# Altium PCB theremin.PcbDoc
Units mm, origin at the board's own origin, x right, y up, seen from the top; angles counter-clockwise.
Board outline 95 x 95 mm, 2 copper layers (Top Layer, Bottom Layer), stack 1.671 mm thick; 93 components, 59 nets, 292 pads, 472 vias.
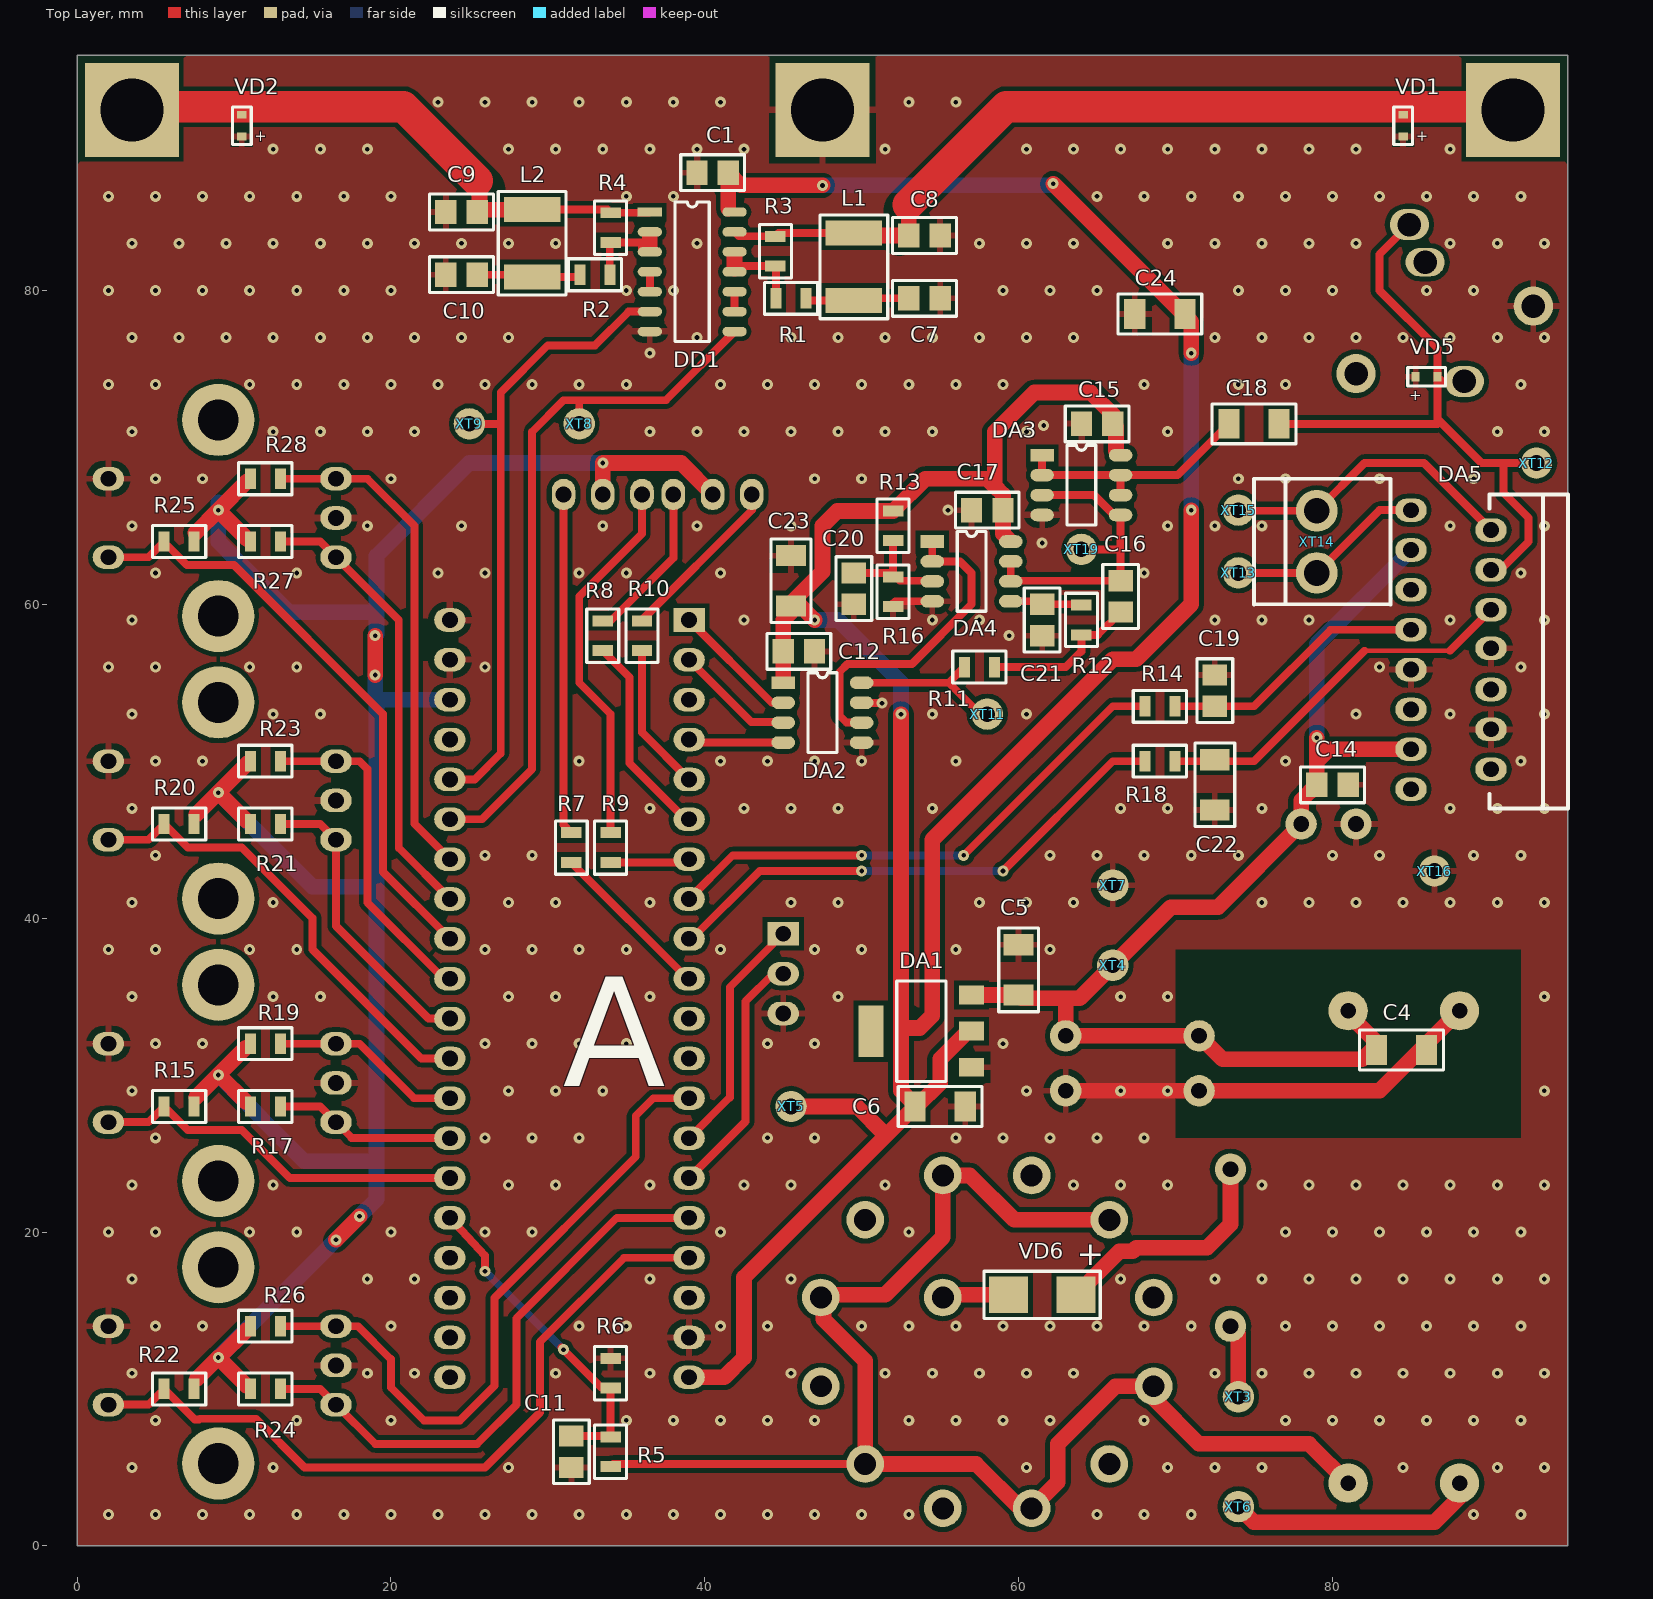
[diagram p0: Top Layer view]
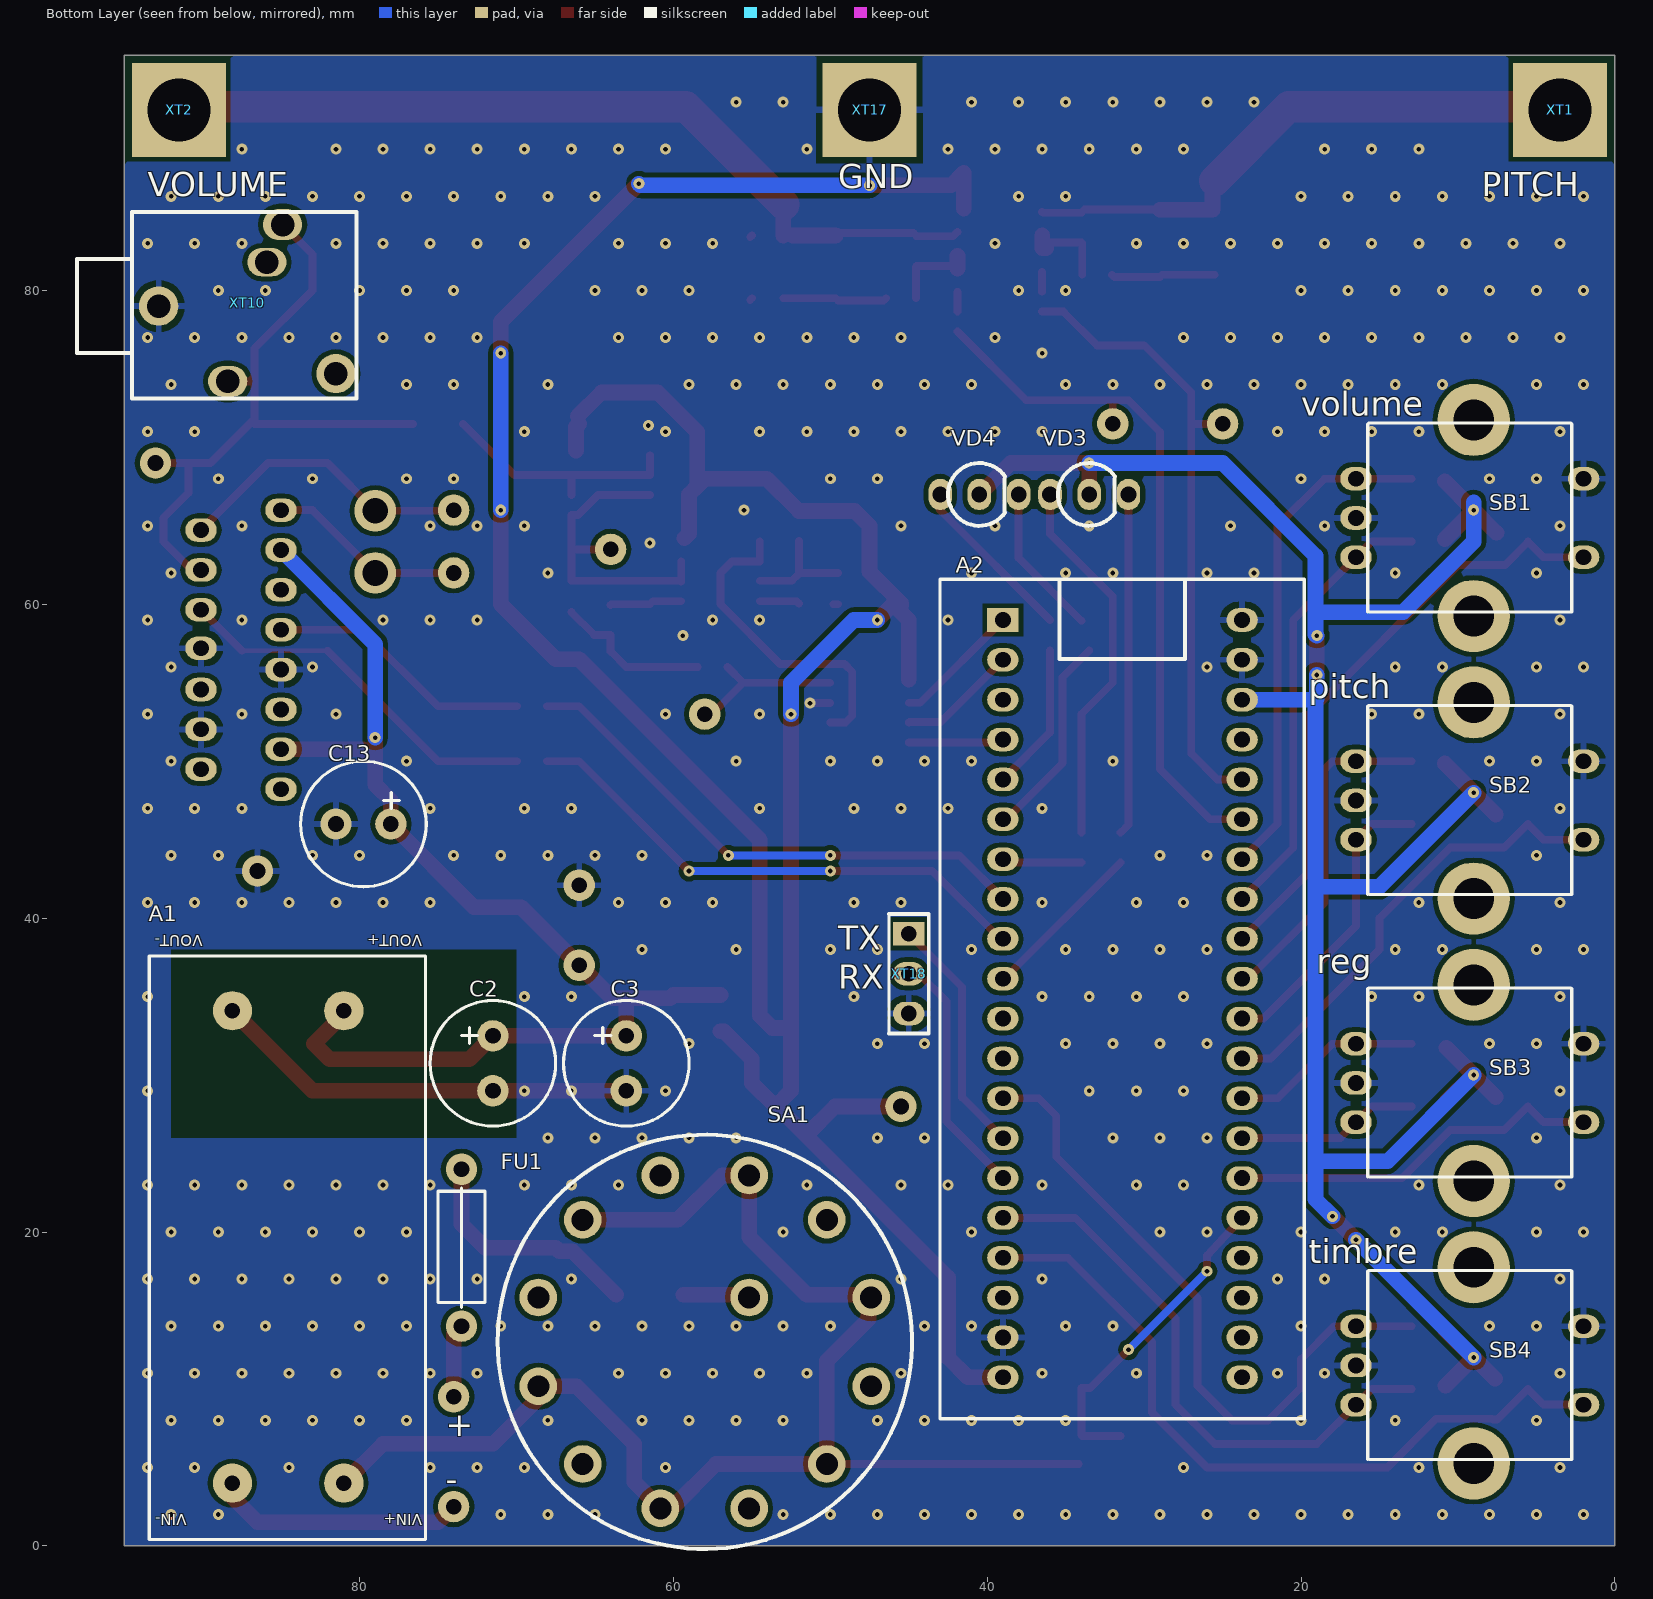
[diagram p1: Bottom Layer view, seen from below]
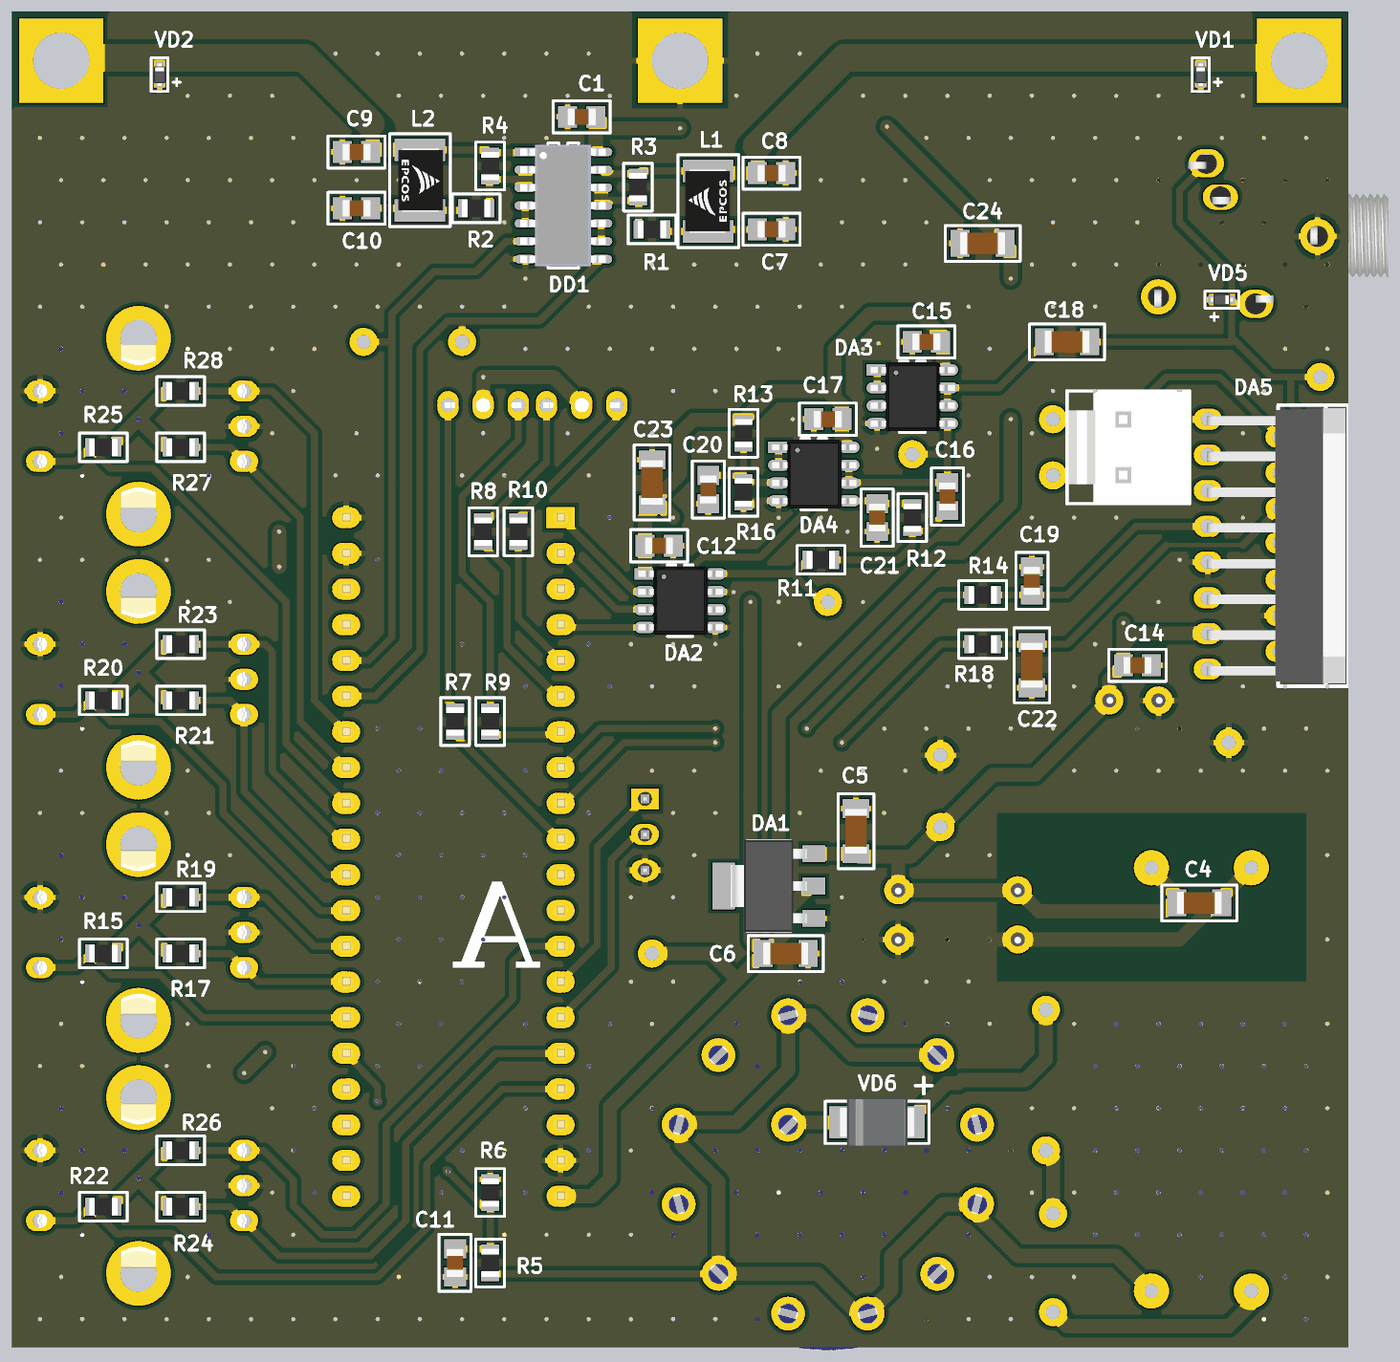
[diagram p2: 3D render of the assembled board from above, using the file's embedded part models]
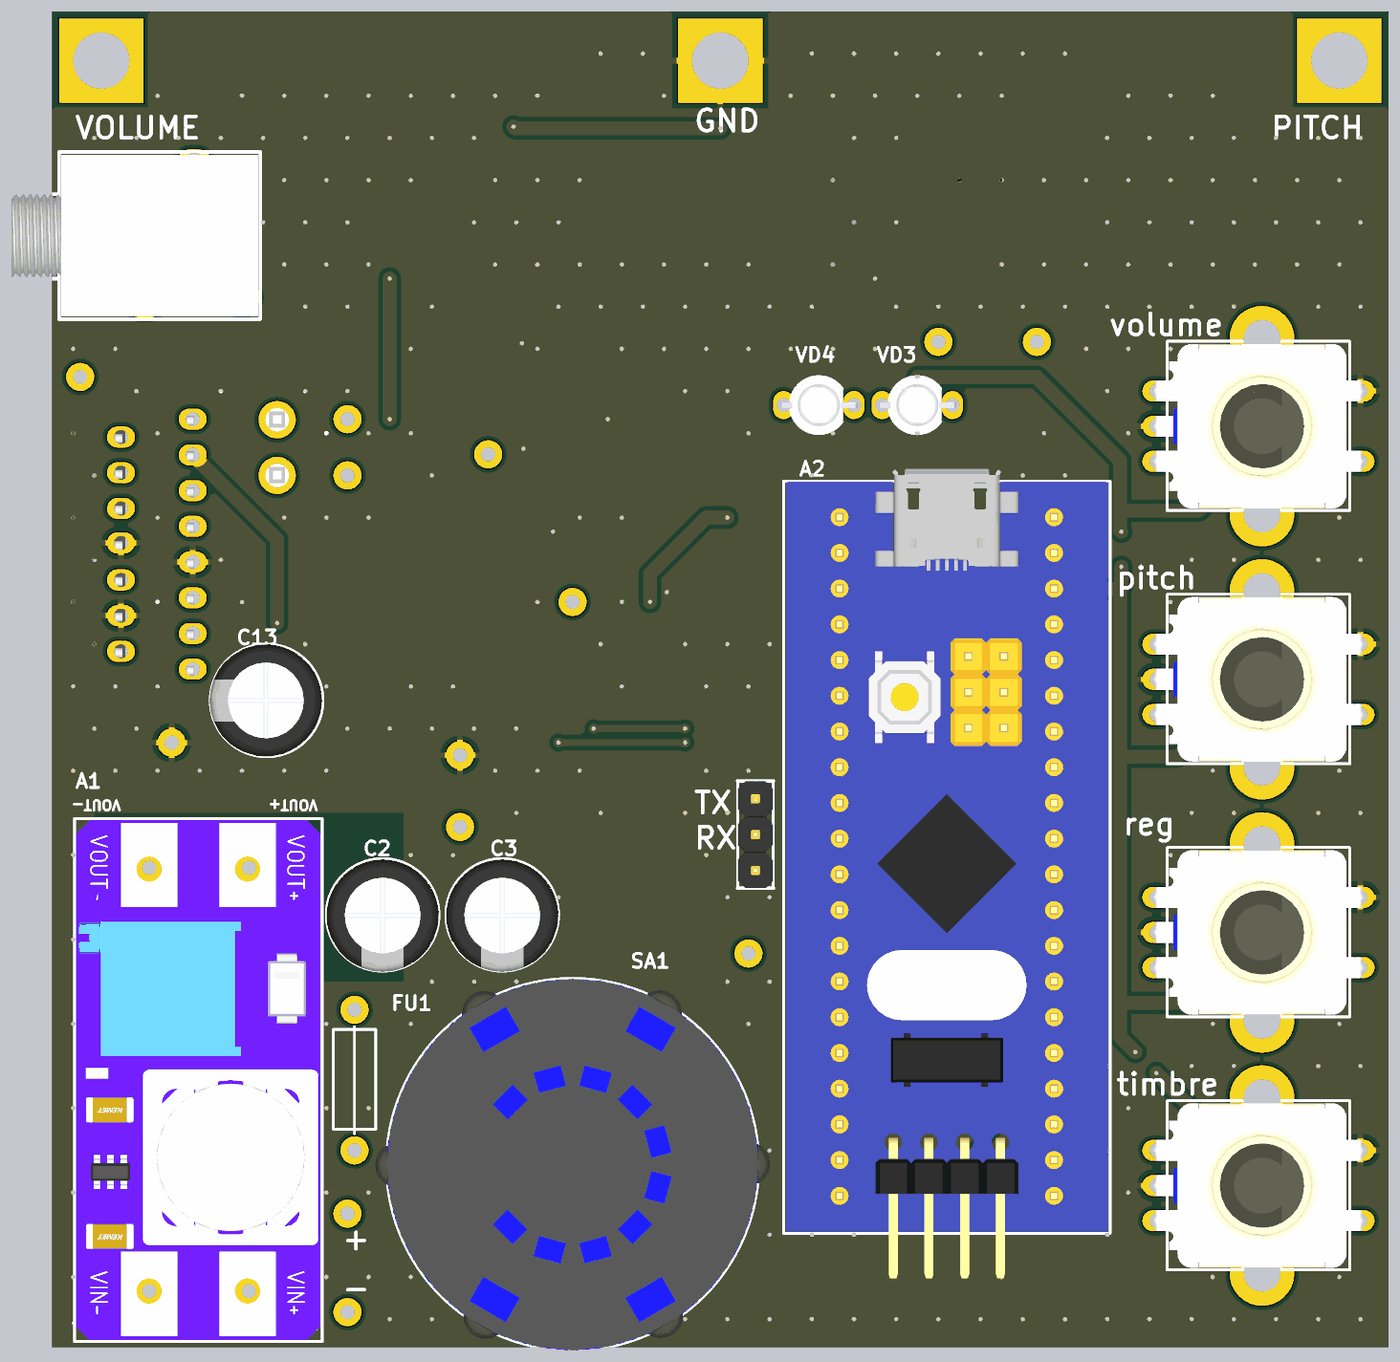
[diagram p3: 3D render of the assembled board from below, using the file's embedded part models]

## Layer stack, top to bottom
Top Solder: solder mask 0.0102, Solder Resist, Dk 3.5
Top Layer: signal copper 0.0356
Dielectric 1: dielectric 1.6, FR-4, Dk 4.8
Bottom Layer: signal copper 0.0356
Bottom Solder: solder mask 0.0102, Solder Resist, Dk 3.5

## Board outline
0,0 95,0 95,95 0,95

## Design rules (kind name [scope] priority, off if disabled: settings)
Clearance [All] p1: gap=0.3 ignorepadtopadclearanceinfootprint=FALSE except(0: Arc-Hole Track-Hole SMDPad-Hole THPad-Hole Via-Hole Fill-Hole Poly-Hole Region-Hole Text-Hole)
Height [All] p1: minheight=0 maxheight=40 prefheight=12.7
PlaneConnect [All] p1: planeconnectstyle=Relief reliefexpansion=0.508 reliefentries=4 reliefconductorwidth=0.4 reliefairgap=0.4
PolygonConnect [All] p1: thpad.connectstyle=Relief thpad.reliefconductorwidth=0.4 thpad.reliefentries=4 thpad.polygonreliefangle="90 Angle" thpad.airgapwidth=0.4 smdpad.connectstyle=Relief smdpad.reliefconductorwidth=0.4 smdpad.reliefentries=4 smdpad.polygonreliefangle="90 Angle" smdpad.airgapwidth=0.4 via.connectstyle=Direct via.reliefconductorwidth=0.4 via.reliefentries=4 via.polygonreliefangle="90 Angle" via.airgapwidth=0.4
RoutingVias [All] p1: holewidth=0.3 width=0.7 viastyle="Through Hole" minholewidth=0.3 minwidth=0.7 maxholewidth=0.711 maxwidth=1.27
SolderMaskExpansion [All] p1: expansion=0.102
Width [All] p1: maxlimit=3 minlimit=0.3 preferedwidth=0.5
28 further rules are at their usual default settings.

## Components (designator, comment, footprint, x,y, rotation, side; value= is the part's Value field where it differs from the comment)
A1 "MT3608 DC-DC" MT3608 81,4 r0 bottom
A2 "blue pill" "BLUE PILL" 39,59 r180 bottom
C1 "0.1" C0805 40.5,87.5 r0 top
C2 "100u" C8X12 71.5,29 r90 bottom
C3 "100u" C8X12 63,29 r90 bottom
C4 "10u" C1206 84.4,31.6 r180 top
C5 "10u" C1206 60,36.7 r270 top
C6 "10u" C1206 55,28 r180 top
C7 "330" C0805 54,79.5 r180 top
C8 "150" C0805 54,83.5 r180 top
C9 "150" C0805 24.5,85 r0 top
C10 "330" C0805 24.5,81 r0 top
C11 "0.1" C0805 31.5,6 r90 top
C12 "0.1" C0805 46,57 r180 top
C13 "100u" C8X12 81.5,46 r180 bottom
C14 "0.1" C0805 80,48.5 r180 top
C15 "0.1" C0805 65,71.5 r0 top
C16 "0.1" C0805 66.5,60.5 r270 top
C17 "0.1" C0805 58,66 r0 top
C18 "10u" C1206 75,71.5 r180 top
C19 "0.1" C0805 72.5,54.5 r270 top
C20 "0.1" C0805 49.5,61 r90 top
C21 "0.1" C0805 61.5,59 r90 top
C22 "10u" C1206 72.5,48.5 r270 top
C23 "10u" C1206 45.5,61.5 r270 top
C24 "10u" C1206 69,78.5 r0 top
DA1 "AMS1117-3.3" SOT223 57,30.5 r180 top
DA2 "MCP4921" SO-8 45,55 r0 top
DA3 "MCP6022" SO-8 61.5,69.5 r0 top
DA4 "MCP6022" SO-8 54.5,64 r0 top
DA5 "TDA7297" TDA7297 85,66 r270 top
DD1 "CD4069UBM" CD4069UBM 36.5,85 r0 top
FU1 "1A" VP4 73.5,14 r90 bottom
L1 "1uH" L1812 49.5,81.5 r90 top
L2 "1uH" L1812 29,83 r270 top
R1 "1" R0805 45.5,79.5 r180 top
R2 "1" R0805 33,81 r180 top
R3 "1" R0805 44.5,82.5 r270 top
R4 "1" R0805 34,84 r90 top
R5 "1" R0805 34,6 r270 top
R6 "1" R0805 34,11 r270 top
R7 "1" R0805 31.5,44.5 r90 top
R8 "1" R0805 33.5,58 r90 top
R9 "1" R0805 34,44.5 r90 top
R10 "1" R0805 36,58 r90 top
R11 "1" R0805 57.5,56 r180 top
R12 "1" R0805 64,59 r270 top
R13 "1" R0805 52,65 r90 top
R14 "1" R0805 69,53.5 r180 top
R15 "1" R0805 6.5,28 r180 top
R16 "1" R0805 52,60.8 r90 top
R17 "1" R0805 12,28 r0 top
R18 "1" R0805 69,50 r180 top
R19 "1" R0805 12,32 r0 top
R20 "1" R0805 6.5,46 r180 top
R21 "1" R0805 12,46 r0 top
R22 "1" R0805 6.5,10 r180 top
R23 "1" R0805 12,50 r0 top
R24 "1" R0805 12,10 r0 top
R25 "1" R0805 6.5,64 r180 top
R26 "1" R0805 12,14 r0 top
R27 "1" R0805 12,64 r0 top
R28 "1" R0805 12,68 r0 top
SA1 "Rotary switch" "ROTARY SWITCH" 58,13 r315 bottom
SB1 "encoder" EC11 2,63 r0 bottom
SB2 "encoder" EC11 2,45 r0 bottom
SB3 "encoder" EC11 2,27 r0 bottom
SB4 "encoder" EC11 2,9 r0 bottom
VD1 "zener" SOD523 84.5,90.5 r90 top
VD2 "zener" SOD523 10.5,90.5 r90 top
VD3 "LED RG 3mm" "LED RG 3MM" 36,67 r180 bottom
VD4 "LED RG 3mm" "LED RG 3mm" 43,67 r180 bottom
VD5 "zener" SOD523 86,74.5 r0 top
VD6 "VD_SMB" SMB 61.5,16 r180 top
XT1 "pitch" SPECIAL_CONTACT 3.5,91.5 r90 bottom
XT2 "volume" SPECIAL_CONTACT 91.5,91.5 r90 bottom
XT3 "contact" CONTACT 74,9.5 r270 top
XT4 "contact" CONTACT 66,37 r0 top
XT5 "contact" CONTACT 45.5,28 r270 top
XT6 "contact" CONTACT 74,2.5 r270 top
XT7 "contact" CONTACT 66,42.1 r270 top
XT8 "contact" CONTACT 32,71.5 r270 top
XT9 "contact" CONTACT 25,71.5 r270 top
XT10 "audio 3.5" ST-214N 94.5,79 r180 bottom
XT11 "contact" contact 58,53 r90 top
XT12 "contact" CONTACT 93,69 r0 top
XT13 "contact" CONTACT 74,62 r0 top
XT14 "connector" B2P 79,62 r180 top
XT15 "contact" CONTACT 74,66 r0 top
XT16 "contact" CONTACT 86.5,43 r270 top
XT17 "gnd_contact" SPECIAL_CONTACT 47.5,91.5 r90 bottom
XT18 "PLS-3" PLS-3 45,39 r180 bottom
XT19 "contact" CONTACT 64,63.5 r0 top

## Footprints (in the part's own frame and the unit in brackets; to place one, negate y for a bottom-side part, rotate by r counter-clockwise, add the part's x,y. Pads: shape width x height; smd on the part's side, far side on the other; paste and mask are expansions set on the pad)
B2P [mm] "connector"
  round 2.65 hole 1.65: 1(0,0) 2(0,-3.96)
  silkscreen extent -4.7,-6 4,2, body extent -4.6,-5.93 3.9,1.93, height 10.9
"BLUE PILL" [mm]
  rect 2x1.5 hole 1: 1(0,0)
  oval 2x1.5 hole 1: 2(0,-2.54) 3(0,-5.08) 4(0,-7.62) 5(0,-10.16) 6(0,-12.7) 7(0,-15.24) 8(0,-17.78) 9(0,-20.32) 10(0,-22.86) 11(0,-25.4) 12(0,-27.94) 13(0,-30.48) 14(0,-33.02) 15(0,-35.56) 16(0,-38.1) 17(0,-40.64) 18(0,-43.18) 19(0,-45.72) 20(0,-48.26) 21(15.24,-48.26) 22(15.24,-45.72) 23(15.24,-43.18) 24(15.24,-40.64) 25(15.24,-38.1) 26(15.24,-35.56) 27(15.24,-33.02) 28(15.24,-30.48) 29(15.24,-27.94) 30(15.24,-25.4) 31(15.24,-22.86) 32(15.24,-20.32) 33(15.24,-17.78) 34(15.24,-15.24) 35(15.24,-12.7) 36(15.24,-10.16) 37(15.24,-7.62) 38(15.24,-5.08) 39(15.24,-2.54) 40(15.24,0)
  silkscreen extent -4,-50.9 19.2,2.6, body extent -3.83,-54.1 19.03,3.46, height 12.27
C8X12 [mm]
  round 2 hole 1: 1(0,0) 2(3.5,0)
  silkscreen extent -2.25,-4 5.75,4, body extent -2.3,-4 5.7,4, height 12.3
C0805 [mm]
  rect 1.35x1.55 smd: 1(-1,0) 2(1,0)
  silkscreen extent -2.03,-1.14 2.03,1.14, body extent -1,-0.6 1,0.6, height 1.2
C1206 [mm]
  rect 1.35x1.9 smd: 1(-1.6,0) 2(1.6,0)
  silkscreen extent -2.67,-1.27 2.67,1.27, body extent -1.6,-0.8 1.6,0.8, height 1.6
CD4069UBM [mm]
  rect 1.55x0.6 smd: 1(0,0)
  oval 1.55x0.6 smd: 2(0,-1.27) 3(0,-2.54) 4(0,-3.81) 5(0,-5.08) 6(0,-6.35) 7(0,-7.62) 8(5.4,-7.62) 9(5.4,-6.35) 10(5.4,-5.08) 11(5.4,-3.81) 12(5.4,-2.54) 13(5.4,-1.27) 14(5.4,0)
  silkscreen extent 1.61,-8.25 3.79,0.64, body extent -0.38,-8.13 5.72,0.51, height 1.75
CONTACT [mm]
  round 2 hole 1: 1(0,0)
contact [mm]
  round 2 hole 1: 1(0,0)
EC11 [mm]
  oval 2x1.5 hole 1: A(14.5,-5) B(14.5,0) C(14.5,-2.5) D(0,-5) E(0,0)
  round 4.6 hole 2.6: ""(7,-8.75) ""(7,3.75)
  silkscreen extent 0.75,-8.55 13.75,3.5, body extent -0.22,-8.36 14.73,3.36, height 24.5
L1812 [mm]
  rect 1.6x3.6 smd: 1(-2.15,0) 2(2.15,0)
  silkscreen extent -3.3,-2.16 3.3,2.16, body extent -2.25,-1.55 2.25,1.65, height 3.24
"LED RG 3MM" [mm]
  oval 1.5x2 hole 1: 1(0,0) 2(2.5,0) 3(5,0)
  silkscreen extent 0.5,-2 4.14,2, body extent -0.24,-1.9 5.24,1.9, height 8.67
"LED RG 3mm" [mm]
  oval 1.5x2 hole 1: 1(0,0) 2(2.5,0) 3(5,0)
  silkscreen extent 0.5,-2 4.14,2, body extent -0.24,-1.9 5.24,1.9, height 8.67
MT3608 [mm]
  round 2.5 hole 1: 1(0,0) 2(7.1,0) 3(0,-30.1) 4(7.1,-30.1)
  silkscreen extent -5.2,-33.6 12.4,3.6, body extent -5.1,-33.5 12.3,3.5, height 7.5
PLS-3 [mm]
  rect 2x1.5 hole 1: 1(0,0)
  oval 2x1.5 hole 1: 2(0,-2.54) 3(0,-5.08)
  silkscreen extent -1.27,-6.35 1.27,1.27, body extent -1.25,-6.35 1.25,1.27, height 8
R0805 [mm]
  rect 0.7x1.3 smd: 1(-0.95,0) 2(0.95,0)
  silkscreen extent -1.7,-1.02 1.7,1.02, body extent -1,-0.62 1,0.63, height 0.6
"ROTARY SWITCH" [mm]
  round 2.4 hole 1.4: 0(-4,0) 1(-9.5,-5.5) 2(-11,0) 3(-9.5,5.5) 4(-5.5,9.5) 5(0,11) 6(5.5,9.5) 7(9.5,5.5) 8(11,0) 9(9.5,-5.5) 10(5.5,-9.5) 11(0,-11) 12(-5.5,-9.5)
  silkscreen extent -13.2,-13.2 13.2,13.2, body extent -19.26,-19.26 19.26,19.26, height 31.9
SMB [mm]
  rect 2.5x2.3 smd: 1(-2.15,0) 2(2.15,0)
  silkscreen extent -3.7,-1.5 3.7,1.5, body extent -2.7,-1.8 2.7,1.8, height 2.3
SO-8 [mm]
  rect 1.5x0.8 smd: 1(0,0)
  oval 1.5x0.8 smd: 2(0,-1.27) 3(0,-2.54) 4(0,-3.81) 5(5,-3.81) 6(5,-2.54) 7(5,-1.27) 8(5,0)
  silkscreen extent 1.58,-4.44 3.42,0.64, body extent -0.46,-4.35 5.54,0.55, height 1.7
SOD523 [mm]
  rect 0.5x0.6 smd: 1(-0.7,0) 2(0.7,0)
  silkscreen extent -1.2,-0.6 1.2,0.6, body extent -0.8,-0.4 0.8,0.4, height 0.7
SOT223 [mm]
  rect 1.6x1.2 smd: 1(0,0) 2(0,-2.3) 3(0,-4.6)
  rect 1.6x3.3 smd: ""(6.4,-2.3)
  silkscreen extent 1.63,-5.5 4.77,0.9, body extent -0.3,-5.55 6.7,0.95, height 1.39
SPECIAL_CONTACT [mm]
  rect 6x6 hole 4: 1(0,0)
ST-214N [mm] "audio jack"
  round 2.5 hole 1.5: 1(1.7,0) 4(13,-4.3)
  oval 2.5x2 hole 1.5: 2(6.1,-4.8) 3(9.6,5.2)
  oval 2.5x1.8 hole 1.5: 5(8.6,2.8)
  silkscreen extent -3.5,-5.9 14.3,6, body extent -3.35,-5.7 14.15,5.8, height 6
TDA7297 [mm]
  oval 1.5x2 hole 1: 1(0,0) 2(1.27,5.1) 3(2.54,0) 4(3.81,5.1) 5(5.08,0) 6(6.35,5.1) 7(7.62,0) 8(8.8,5.1) 9(10.16,0) 10(11.43,5.1) 11(12.7,0) 12(13.97,5.1) 13(15.24,0) 14(16.51,5.1) 15(17.78,0)
  silkscreen extent -1,5 19,10, body extent -0.8,-0.06 18.8,9.8, height 24.2
VP4 [mm]
  round 2 hole 1: 1(0,0) 2(10,0)
  silkscreen extent 1.2,-1.5 8.8,1.5, body extent -0.38,-1.5 10.38,1.5, height 3.5

## Part data
C1 C7 C8 C9 C10 C11 C12 C14 C15 C16 C17 C19 C20 C21: library part C0805
C2 C3 C13: library part C8x12
C4 C5 C6 C18 C22 C23 C24: library part C1210
FU1: library part FU
L1 L2: library part L1812
R1 R2 R3 R4 R5 R6 R7 R8 R9 R10 R11 R12 R13 R14 R15 R16 R17 R18 R19 R20 R21 R22 R23 R24 R25 R26 R27 R28: library part R0805
XT10: library part audiojack
XT17: "source gnd connect"

## Via types
v1: diameter 0.7, hole 0.3, Top Layer to Bottom Layer, tented both sides, 472 vias

## Nets (pads, with @x,y where several pads share a name; then routed paths per layer and width w, separated by ;. In a path a pad name is that pad's centre, name@x,y a point inside that pad or via, vN(x,y) a via of type N, cw(c..) or ccw(c..) an arc to the next point about the centre after c; other vN are vias at no path point)
GND: A1.4 A2.19 A2.39 A2.40 C1.1 C2.1 C3.1 C4.1 C5.1 C6.1 C7.1 C8.1 C9.1 C10.1 C11.1 C12.1 C13.1 C14.1 C15.1 C17.1 C19.1 C20.1 C21.1 C22.2 C23.1 C24.1 DA1.1 DA2.5 DA2.7 DA3.4 DA4.4 DA5.8 DA5.9 DA5.12 DD1.7 R6.1 R16.1 SB1.C SB1.D SB2.C SB2.D SB3.C SB3.D SB4.C SB4.D VD1.1 VD2.1 VD5.1 XT7.1 XT10.1 XT16.1 XT17.1 XT18.3 | length 31.7
  Top Layer w0.5: C20.1 C20.1@49.8,60 ; DA2.7 50.03,53.7 v1(51.3,53.7) ; R16.1@52,60.05 52.14,60.19 DA4.4 ; C7.1 C7.1@55.1,79.4 ; C8.1 C8.1@55.1,83.4
  Top Layer w1: C3.1 C2.1 83,29 A1.4
  other v1: 2,2 5,2 8,2 11,2 14,2 17,2 20,2 23,2 26,2 29,2 32,2 35,2 38,2 41,2 44,2 47,2 50,2 53,2 65,2 68,2 71,2 89,2 92,2 3.5,5 12.5,5 27.5,5 60.5,5 69.5,5 72.5,5 75.5,5 84.5,5 90.5,5 93.5,5 5,8 14,8 20,8 35,8 38,8 41,8 44,8 47,8 53,8 56,8 59,8 62,8 68,8 77,8 80,8 83,8 86,8 89,8 92,8 3.5,11 18.5,11 21.5,11 30.5,11 36.5,11 45.5,11 51.5,11 54.5,11 57.5,11 60.5,11 63.5,11 72.5,11 75.5,11 78.5,11 81.5,11 84.5,11 87.5,11 90.5,11 93.5,11 5,14 8,14 20,14 32,14 35,14 41,14 44,14 50,14 53,14 56,14 59,14 62,14 65,14 68,14 71,14 77,14 80,14 83,14 86,14 89,14 92,14 3.5,17 18.5,17 21.5,17 36.5,17 45.5,17 66.5,17 72.5,17 75.5,17 78.5,17 81.5,17 84.5,17 87.5,17 90.5,17 93.5,17 2,20 5,20 11,20 14,20 20,20 26,20 29,20 41,20 53,20 77,20 80,20 83,20 86,20 89,20 92,20 3.5,23 12.5,23 27.5,23 30.5,23 36.5,23 42.5,23 45.5,23 51.5,23 63.5,23 66.5,23 69.5,23 75.5,23 78.5,23 81.5,23 84.5,23 87.5,23 90.5,23 93.5,23 5,26 26,26 29,26 32,26 44,26 47,26 56,26 59,26 62,26 65,26 68,26 3.5,29 27.5,29 30.5,29 33.5,29 60.5,29 66.5,29 69.5,29 93.5,29 5,32 8,32 26,32 29,32 32,32 35,32 44,32 47,32 59,32 3.5,35 12.5,35 15.5,35 27.5,35 30.5,35 33.5,35 36.5,35 48.5,35 66.5,35 69.5,35 93.5,35 2,38 5,38 11,38 14,38 26,38 29,38 32,38 35,38 41,38 47,38 50,38 56,38 62,38 3.5,41 12.5,41 27.5,41 30.5,41 36.5,41 45.5,41 48.5,41 57.5,41 60.5,41 63.5,41 75.5,41 78.5,41 81.5,41 84.5,41 87.5,41 90.5,41 93.5,41 5,44 26,44 29,44 62,44 65,44 68,44 71,44 74,44 80,44 83,44 89,44 92,44 3.5,47 36.5,47 42.5,47 45.5,47 48.5,47 54.5,47 66.5,47 69.5,47 75.5,47 87.5,47 90.5,47 93.5,47 5,50 8,50 32,50 41,50 44,50 47,50 50,50 56,50 77,50 92,50 3.5,53 12.5,53 15.5,53 54.5,53 60.5,53 81.5,53 87.5,53 93.5,53 2,56 5,56 11,56 14,56 26,56 83,56 92,56 59.4,58 3.5,59 42.5,59 54.5,59 57.5,59 72.5,59 75.5,59 78.5,59 87.5,59 93.5,59 5,62 14,62 23,62 26,62 32,62 35,62 41,62 68,62 92,62 61.5,63.9 3.5,65 18.5,65 24.5,65 33.5,65 39.5,65 45.5,65 69.5,65 72.5,65 75.5,65 87.5,65 93.5,65 55.5,66 5,68 8,68 20,68 47,68 50,68 74,68 77,68 83,68 89,68 3.5,71 12.5,71 15.5,71 18.5,71 21.5,71 36.5,71 39.5,71 42.5,71 45.5,71 48.5,71 51.5,71 54.5,71 60.5,71 69.5,71 90.5,71 93.5,71 61.6,71.4 2,74 5,74 11,74 14,74 17,74 20,74 23,74 26,74 29,74 32,74 35,74 41,74 44,74 47,74 50,74 53,74 56,74 59,74 68,74 74,74 77,74 92,74 36.5,76 3.5,77 6.5,77 9.5,77 12.5,77 15.5,77 18.5,77 21.5,77 24.5,77 27.5,77 39.5,77 45.5,77 48.5,77 51.5,77 54.5,77 57.5,77 60.5,77 63.5,77 72.5,77 75.5,77 78.5,77 81.5,77 84.5,77 87.5,77 90.5,77 93.5,77 2,80 5,80 8,80 11,80 14,80 17,80 20,80 35,80 38,80 59,80 62,80 65,80 74,80 77,80 80,80 86,80 89,80 3.5,83 6.5,83 9.5,83 12.5,83 15.5,83 18.5,83 21.5,83 24.5,83 27.5,83 30.5,83 39.5,83 57.5,83 60.5,83 63.5,83 69.5,83 72.5,83 75.5,83 78.5,83 81.5,83 87.5,83 90.5,83 93.5,83 2,86 5,86 8,86 11,86 14,86 17,86 20,86 35,86 38,86 65,86 68,86 71,86 74,86 77,86 80,86 83,86 86,86 89,86 92,86 12.5,89 15.5,89 18.5,89 27.5,89 30.5,89 33.5,89 36.5,89 39.5,89 42.5,89 51.5,89 60.5,89 63.5,89 66.5,89 69.5,89 72.5,89 75.5,89 78.5,89 81.5,89 87.5,89 23,92 26,92 29,92 32,92 35,92 38,92 41,92 53,92 56,92
NetA1_1: A1.1 R5.2 SA1.1 SA1.3 SA1.5 SA1.7 SA1.9 SA1.11 | length 92.4
  Top Layer w0.5: R5.2@34.172,5.222 SA1.5
  Top Layer w1: SA1.11 59.722,20.778 56.893,23.607 SA1.1 55.172,19.672 51.5,16 47.565,16 47.565,14.435 50.222,11.778 SA1.5 57.278,5.222 60.107,2.393 SA1.7 62.5,4.065 62.5,6.5 66.172,10.172 SA1.9 68.607,9.393 71.5,6.5 78.5,6.5 A1.1
NetA1_2: A1.2 XT6.1 | length 16.1
  Top Layer w1: XT6.1 75,1.5 86.5,1.5 88.1,3.1 A1.2
NetA2_1: A2.1 DA2.2 | length 8.2
  Top Layer w0.5: A2.1 44.27,53.73 DA2.2
NetA2_2: A2.2 DA2.3 | length 7.7
  Top Layer w0.5: A2.2 42.96,52.5 44.96,52.5 DA2.3
NetA2_4: A2.4 DA2.4 | length 5.8
  Top Layer w0.5: A2.4@39.19,51.19 DA2.4
NetA2_5: A2.5 R10.1 | length 9.5
  Top Layer w0.5: R10.1 36,51.84 A2.5
NetA2_6: A2.6 R8.1 | length 13.2
  Top Layer w0.5: R8.1 35.2,55.35 35.2,49.88 38.67,46.41 38.89,46.41 A2.6
NetA2_7: A2.7 R9.1 | length 5.1
  Top Layer w0.5: R9.1 38.79,43.55 A2.7
NetA2_8: A2.8 R14.2 | length 34.1
  Top Layer w0.5: A2.8 41.78,44 v1(50,44) ; v1(56.5,44) 66,53.5 R14.2
  Bottom Layer w0.5: v1(50,44) v1(56.5,44)
NetA2_9: A2.9 R18.2 | length 33.7
  Top Layer w0.5: A2.9 39.18,38.68 43.5,43 v1(50,43) ; v1(59,43) 66,50 R18.2
  Bottom Layer w0.5: v1(50,43) v1(59,43)
NetA2_10: A2.10 R7.1 | length 10.5
  Top Layer w0.5: R7.1 A2.10@38.91,36.14
NetA2_13: A2.13 R26.2 SB4.A | length 42.9
  Top Layer w0.5: R26.2 SB4.A 17.9,14 20,11.9 20,10.1 22.1,8 24.4,8 26.6,10.2 26.6,15.8 35.6,24.8 35.6,27.4 36.72,28.52 A2.13
NetA2_14: A2.14 XT18.1 | length 15.5
  Top Layer w0.5: A2.14 41.6,28.58 41.6,35.6 XT18.1
NetA2_15: A2.15 XT18.2 | length 15.9
  Top Layer w0.5: A2.15 42.6,27.04 42.6,34.7 44.36,36.46 XT18.2
NetA2_16: A2.16 R24.2 SB4.B | length 36.7
  Top Layer w0.5: R24.2 15.5,10 SB4.B 19,6.5 25.5,6.5 28,9 28,14.5 34.4,20.9 A2.16
NetA2_17: A2.17 R22.2 SB4.E | length 47.7
  Top Layer w0.5: SB4.E 4.55,9 R22.2 7.5,8.05 7.769,8.05 7.819,8.1 11.4,8.1 14.5,5 26,5 29.5,8.5 29.5,13 34.86,18.36 A2.17
NetA2_25: A2.25 C11.2 R5.1 R6.2 | length 21.3
  Top Layer w0.5: A2.25 26,18.5 v1(26,17.5) ; v1(31,12.5) 30.864,12.635 33.45,10.05 R6.2 34,7.05 33.95,7 C11.2
  Bottom Layer w0.5: v1(26,17.5) v1(31,12.5)
NetA2_26: A2.26 R15.2 SB3.E | length 24.1
  Top Layer w0.5: SB3.E 4.55,27 R15.2 7.05,26.5 10.5,26.5 13.56,23.44 A2.26
NetA2_27: A2.27 R17.2 SB3.B | length 11.6
  Top Layer w0.5: R17.2 15.5,28 SB3.B 17.5,26 A2.27@23.74,26
NetA2_28: A2.28 R19.2 SB3.A | length 12.3
  Top Layer w0.5: R19.2 SB3.A 18,32 21.48,28.52 A2.28
NetA2_29: A2.29 R20.2 SB2.E | length 29.5
  Top Layer w0.5: SB2.E 4.55,45 R20.2 7.05,44.5 10.5,44.5 15,40 15,38 21.94,31.06 A2.29
NetA2_30: A2.30 R21.2 SB2.B | length 19.2
  Top Layer w0.5: R21.2 15.5,46 SB2.B 16.5,39.5 22.4,33.6 A2.30
NetA2_31: A2.31 R23.2 SB2.A | length 21.5
  Top Layer w0.5: R23.2 18,50 18.5,49.5 18.5,41 23.36,36.14 A2.31
NetA2_32: A2.32 R25.2 SB1.E | length 38.6
  Top Layer w0.5: SB1.E 4.55,63 R25.2 5.55,63.95 7,62.5 10,62.5 19.5,53 19.5,42.94 A2.32
NetA2_33: A2.33 R27.2 SB1.B | length 28.8
  Top Layer w0.5: R27.2 15.5,64 SB1.B 20.5,59 20.5,44.48 A2.33
NetA2_34: A2.34 R28.2 SB1.A | length 32
  Top Layer w0.5: R28.2 18.5,68 21.5,65 21.5,46.02 A2.34
NetA2_35: A2.35 DD1.8 XT8.1 | length 45.1
  Top Layer w0.5: A2.35 25.8,46.3 29,49.5 29,71 31,73 32,73 ; XT8.1 32,73 ; DD1.8 37.52,73 32,73
NetA2_36: A2.36 DD1.6 XT9.1 | length 40.6
  Top Layer w0.5: A2.36 25.34,48.84 27,50.5 27,71.5 ; XT9.1 27,71.5 ; DD1.6 35.15,78.65 33,76.5 30,76.5 27,73.5 27,71.5
NetA2_38: A2.38 R15.1 R17.1 R19.1 R20.1 R21.1 R22.1 R23.1 R24.1 R25.1 R26.1 R27.1 R28.1 VD3.2 VD4.2 | length 154.3
  Top Layer w1: R25.1@7.55,64.55 v1(9,66) ; R15.1@7.6,28.6 v1(9,30) ; R20.1@7.6,46.6 v1(9,48) ; R22.1@7.65,10.65 v1(9,12) ; R19.1@10.75,31.75 v1(9,30) ; R17.1@10.775,28.275 9.05,30 v1(9,30) ; R24.1@10.8,10.2 v1(9,12) ; R21.1@10.8,46.2 v1(9,48) ; R26.1@10.825,13.775 9.05,12 v1(9,12) ; R23.1@10.85,49.85 v1(9,48) ; R27.1@10.85,64.15 v1(9,66) ; R28.1@10.85,67.85 v1(9,66) ; v1(16.5,19.5) v1(18,21) ; v1(19,55.5) v1(19,58) ; VD3.2 v1(33.5,69) 38.5,69 VD4.2
  Bottom Layer w1: v1(9,12) v1(16.5,19.5) ; v1(9,30) 14.5,24.5 19.08,24.5 ; v1(9,48) 15,42 19.08,42 ; 9,66.5 v1(9,66) 9,64 13.5,59.5 19.08,59.5 ; v1(18,21) 19.08,22.08 19.08,24.5 ; 19,54 v1(19,55.5) ; v1(19,58) 19.08,58.08 19.08,59.5 ; A2.38 19.08,53.92 19.08,42 ; v1(33.5,69) 25,69 19.08,63.08 19.08,59.5 ; 19.08,24.5 19.08,42
NetC7_2: C7.2 L1.1 R1.1 | length 6.7
  Top Layer w0.5: R1.1 46.6,79.35 L1.1 49.65,79.5 C7.2
NetC8_2: C8.2 DD1.13 L1.2 R3.1 VD1.2 XT2.1 | length 54.4
  Top Layer w0.5: DD1.13 42.18,83.45 R3.1 44.7,83.65 L1.2 L1.2@49.65,83.5 ; XT2.1@91.802,91.7 XT2.1@92,91.898
  Top Layer w1: L1.2@49.65,83.5 C8.2@52.4,83.5 ; C8.2 53,85.4
  Top Layer w2: 52.95,85.45 59.2,91.7 XT2.1@91.802,91.7
NetC9_2: C9.2 DD1.1 L2.1 R4.2 VD2.2 XT1.1 | length 37.1
  Top Layer w0.5: XT1.1@3.102,91.898 XT1.1@3.3,91.7 ; L2.1 33.8,85.15 R4.2 36.45,84.95 DD1.1
  Top Layer w1: 25.65,86.85 25.65,85.15 L2.1
  Top Layer w2: XT1.1@3.3,91.7 20.8,91.7 25.5,87
NetC10_2: C10.2 L2.2 R2.2 | length 6.7
  Top Layer w0.5: C10.2 28.85,81 L2.2 31.9,80.85 R2.2
NetC16_1: C16.1 DA3.3 DA3.5 DA4.6 DA4.7 XT19.1 | length 20.5
  Top Layer w0.5: DA4.7 DA4.6 59.54,61.5 C16.1 66.5,63.5 ; DA3.3 64.806,66.96 66.076,65.69 DA3.5 66.5,63.5 ; XT19.1 66.5,63.5
NetC16_2: C16.2 R11.1 R12.2 | length 10.1
  Top Layer w0.5: R11.1 63,56 64,57 R12.2 65.05,58.05 C16.2
NetC18_1: C18.1 DA5.4 VD5.2 XT10.2 XT10.3 XT12.1 | length 43.1
  Top Layer w0.5: C18.1 86.7,71.5 VD5.2 ; XT10.3 83,82.3 83,80 86.7,76.3 VD5.2 ; 86.75,71.75 89.5,69 XT12.1 ; XT10.2 87,74.2 VD5.2 ; DA5.4 90.69,62.19 92.5,64 92.5,65.5 90.9,67.1 90.9,69
NetC18_2: C18.2 DA3.1 DA3.2 DA3.6 DA3.7 | length 15.8
  Top Layer w0.5: DA3.1 DA3.2 DA3.7 ; DA3.6 DA3.7 ; C18.2 70.13,68.23 DA3.7
NetC19_2: C19.2 DA5.7 R14.1 | length 17.1
  Top Layer w0.5: R14.1 C19.2 75,53.5 79.88,58.38 DA5.7
NetC20_2: C20.2 DA4.3 R13.1 R16.2 | length 7.3
  Top Layer w0.5: C20.2 51.95,62 R16.2@52,61.95 ; R13.1 R16.2@52,61.95 ; DA4.3@54.5,61.5 52.45,61.5 R16.2@52,61.95
NetC21_2: C21.2 DA4.5 R12.1 | length 4.6
  Top Layer w0.5: DA4.5 61.31,60.19 C21.2 63.95,60 R12.1
NetC22_1: C22.1 DA5.6 R18.1 | length 24.1
  Top Layer w0.3: 82.04,57.04 87.49,57.04
  Top Layer w0.5: R18.1 75,50 82.04,57.04 ; 87.49,57.04 DA5.6
NetDA2_6: DA2.6 DA4.1 DA4.2 | length 20.6
  Top Layer w0.5: DA2.6 49.04,52.46 48.6,52.9 48.6,55.7 49.1,56.2 53.2,56.2 57,60 57,62 56.27,62.73 DA4.2 DA4.1
NetDA2_8: DA2.8 R11.2 XT11.1 | length 10.2
  Top Layer w0.5: DA2.8 55.55,55 ; R11.2 55.55,55 ; XT11.1 57.55,53 55.55,55
NetDA5_1: DA5.1 XT13.1 XT14.1 | length 12.7
  Top Layer w0.5: XT13.1 XT14.1 83,66 DA5.1
NetDA5_2: DA5.2 XT14.2 XT15.1 | length 19.1
  Top Layer w0.5: XT15.1 74.04,65.96 XT14.2 82.04,69 85.83,69 DA5.2
NetDD1_2: DD1.2 DD1.3 R2.1 R4.1 | length 5
  Top Layer w0.5: R2.1 33.95,83 R4.1 35.91,83.05
  Top Layer w1: DD1.3@36.26,82.7 36.5,82.7 DD1.2@36.5,83.5
NetDD1_4: DD1.4 DD1.5 | length 1.3
  Top Layer w0.5: DD1.5 DD1.4
NetDD1_9: DD1.9 DD1.10 | length 1.3
  Top Layer w0.5: DD1.9 DD1.10
NetDD1_11: DD1.11 DD1.12 R1.2 R3.2 | length 5.6
  Top Layer w0.5: DD1.11 42.26,81.55 R3.2 44.55,81.5 R1.2
  Top Layer w1: DD1.11@41.9,81.4 DD1.12@41.9,82.2
NetFU1_1: FU1.1 XT3.1 | length 4.7
  Top Layer w1: FU1.1 74,13.5 XT3.1
NetFU1_2: FU1.2 VD6.1 | length 15.2
  Top Layer w1: VD6.1 66.428,18.778 67.278,18.778 67.5,19 72,19 73.5,20.5 FU1.2
NetR7_2: R7.2 VD3.3 | length 21.8
  Top Layer w0.5: VD3.3 31,45.95 R7.2
NetR8_2: R8.2 VD4.3 | length 9.7
  Top Layer w0.5: R8.2@34,58.95 38,62.95 VD4.3
NetR9_2: R9.2 VD3.1 | length 24
  Top Layer w0.5: R9.2 34,53 32,55 32,60.5 36,64.5 VD3.1
NetR10_2: R10.2 VD4.1 | length 10.9
  Top Layer w0.5: R10.2@36,59 43,66 VD4.1
NetSA1_0: SA1.0 VD6.2 | length 4
  Top Layer w1: SA1.0@55.343,16 VD6.2
VAMP: A1.3 C2.2 C3.2 C4.2 C5.2 C13.2 C14.2 DA1.3 DA5.3 DA5.13 XT4.1 | length 78.6
  Top Layer w1: DA1.3 C5.2 60.2,34.9 63,34.9 ; v1(79,51.5) 79,50 ; A1.3 81,33.9 82.9,32 81.9,31 73,31 C2.2 C3.2 63,34.9 ; DA5.13 79.76,50.76 79,50 ; 63,34.9 63.9,34.9 XT4.1 69.7,40.7 72.7,40.7 C13.2 78,47.5 C14.2 79,50
  Bottom Layer w1: v1(79,51.5) 79,57.46 DA5.3
VCC: A2.20 C1.2 C6.2 C12.2 C15.2 C17.2 C23.2 C24.2 DA1.2 DA2.1 DA3.8 DA4.8 DD1.14 R13.2 XT5.1 | length 205.5
  Top Layer w1: A2.20 41.24,10.74 42.5,12 42.5,17.1 C6.2 ; DD1.14@41.5,85.2 C1.2 42.307,86.693 v1(47.5,86.693) ; DA2.1@45,55.2 C12.2 45,59 46,60 v1(47,59) ; XT5.1 49.7,28 51.5,26.2 ; C23.2 45.5,60.075 47.5,62.075 47.5,65 48.45,65.95 R13.2 54.05,68 58,68 58.475,67.525 ; v1(52.5,53) 52.5,33 ; DA1.2 56.769,32.8 55,31.031 55,29.5 53.5,28 52.5,29 52.5,33 ; DA4.8@59.3,64.2 59,64.5 C17.2 59,67 58.475,67.525 ; v1(62.2,86.8) 71,78 v1(71,76) ; C15.2 66.2,71.3 DA3.8@66.2,69.8 ; C15.2@66.091,71.991 64.581,73.5 61,73.5 58.475,70.975 58.475,67.525 ; v1(71,66) 71,60 67.5,56.5 66,56.5 54.5,45 54.5,33.8 53.7,33 52.5,33
  Bottom Layer w1: v1(47,59) 48.5,59 52.5,55 v1(52.5,53) ; v1(47.5,86.693) 62.093,86.693 v1(62.2,86.8) ; v1(71,66) v1(71,76)
pads on no net: A2.3 A2.11 A2.12 A2.18 A2.21 A2.22 A2.23 A2.24 A2.37 DA1. DA5.5 DA5.10 DA5.11 DA5.14 DA5.15 SA1.2 SA1.4 SA1.6 SA1.8 SA1.10 SA1.12 SB1. SB2. SB3. SB4. XT10.4 XT10.5

## Polygon pours and split planes (outlines as drawn)
GND on Bottom Layer "GND_L02_P004" (solid, pour order 4): 0,0 95,0 95,95 0,95
GND on Top Layer "GND_L01_P002" (solid, pour order 2): 0,0 95,0 95,95 0,95

## Other copper
Top Layer:
  pour cut-out: 70,26 92,26 92,38 70,38
Bottom Layer:
  pour cut-out: 70,38 92,38 92,26 70,26

## Silkscreen, mask and mechanical layers (free items; w line width, h text height)
Top Overlay:
  text "A" at 37.5,27 h12
Bottom Overlay:
  text "GND" at 49.5,86.5 h1.52
  text "PITCH" at 8.5,86 h1.52
  text "VOLUME" at 93.5,86 h1.52
  text "volume" at 20,72 h1.52
  text "pitch" at 19.5,54 h1.52
  text "TX" at 49.5,38 h1.52
  text "reg" at 19,36.5 h1.52
  text "RX" at 49.5,35.5 h1.52
  text "timbre" at 19.5,18 h1.52
  text "+" at 74.5,7 h1.52
  text "-" at 74.5,3.5 h1.52
Mechanical 2:
  the board outline again, w0.2

## Text inside footprints (layer, text, board x,y; h text height)
A1: Bottom Overlay "VOUT-" at 90,38.9 h0.7 r180; Bottom Overlay "VOUT+" at 76,38.9 h0.7 r180; Bottom Overlay "VIN-" at 91,2 h0.7 r180; Bottom Overlay "VIN+" at 76,2 h0.7 r180
VD1: Top Overlay "+" at 86,89.4 h0.7 r90
VD2: Top Overlay "+" at 12,89.4 h0.7 r90
VD5: Top Overlay "+" at 84.9,73 h0.7
VD6: Top Overlay "+" at 63.7,19.2 h1.52 r180